# KiCad board mse-50-ce-panel.kicad_pcb (continued)
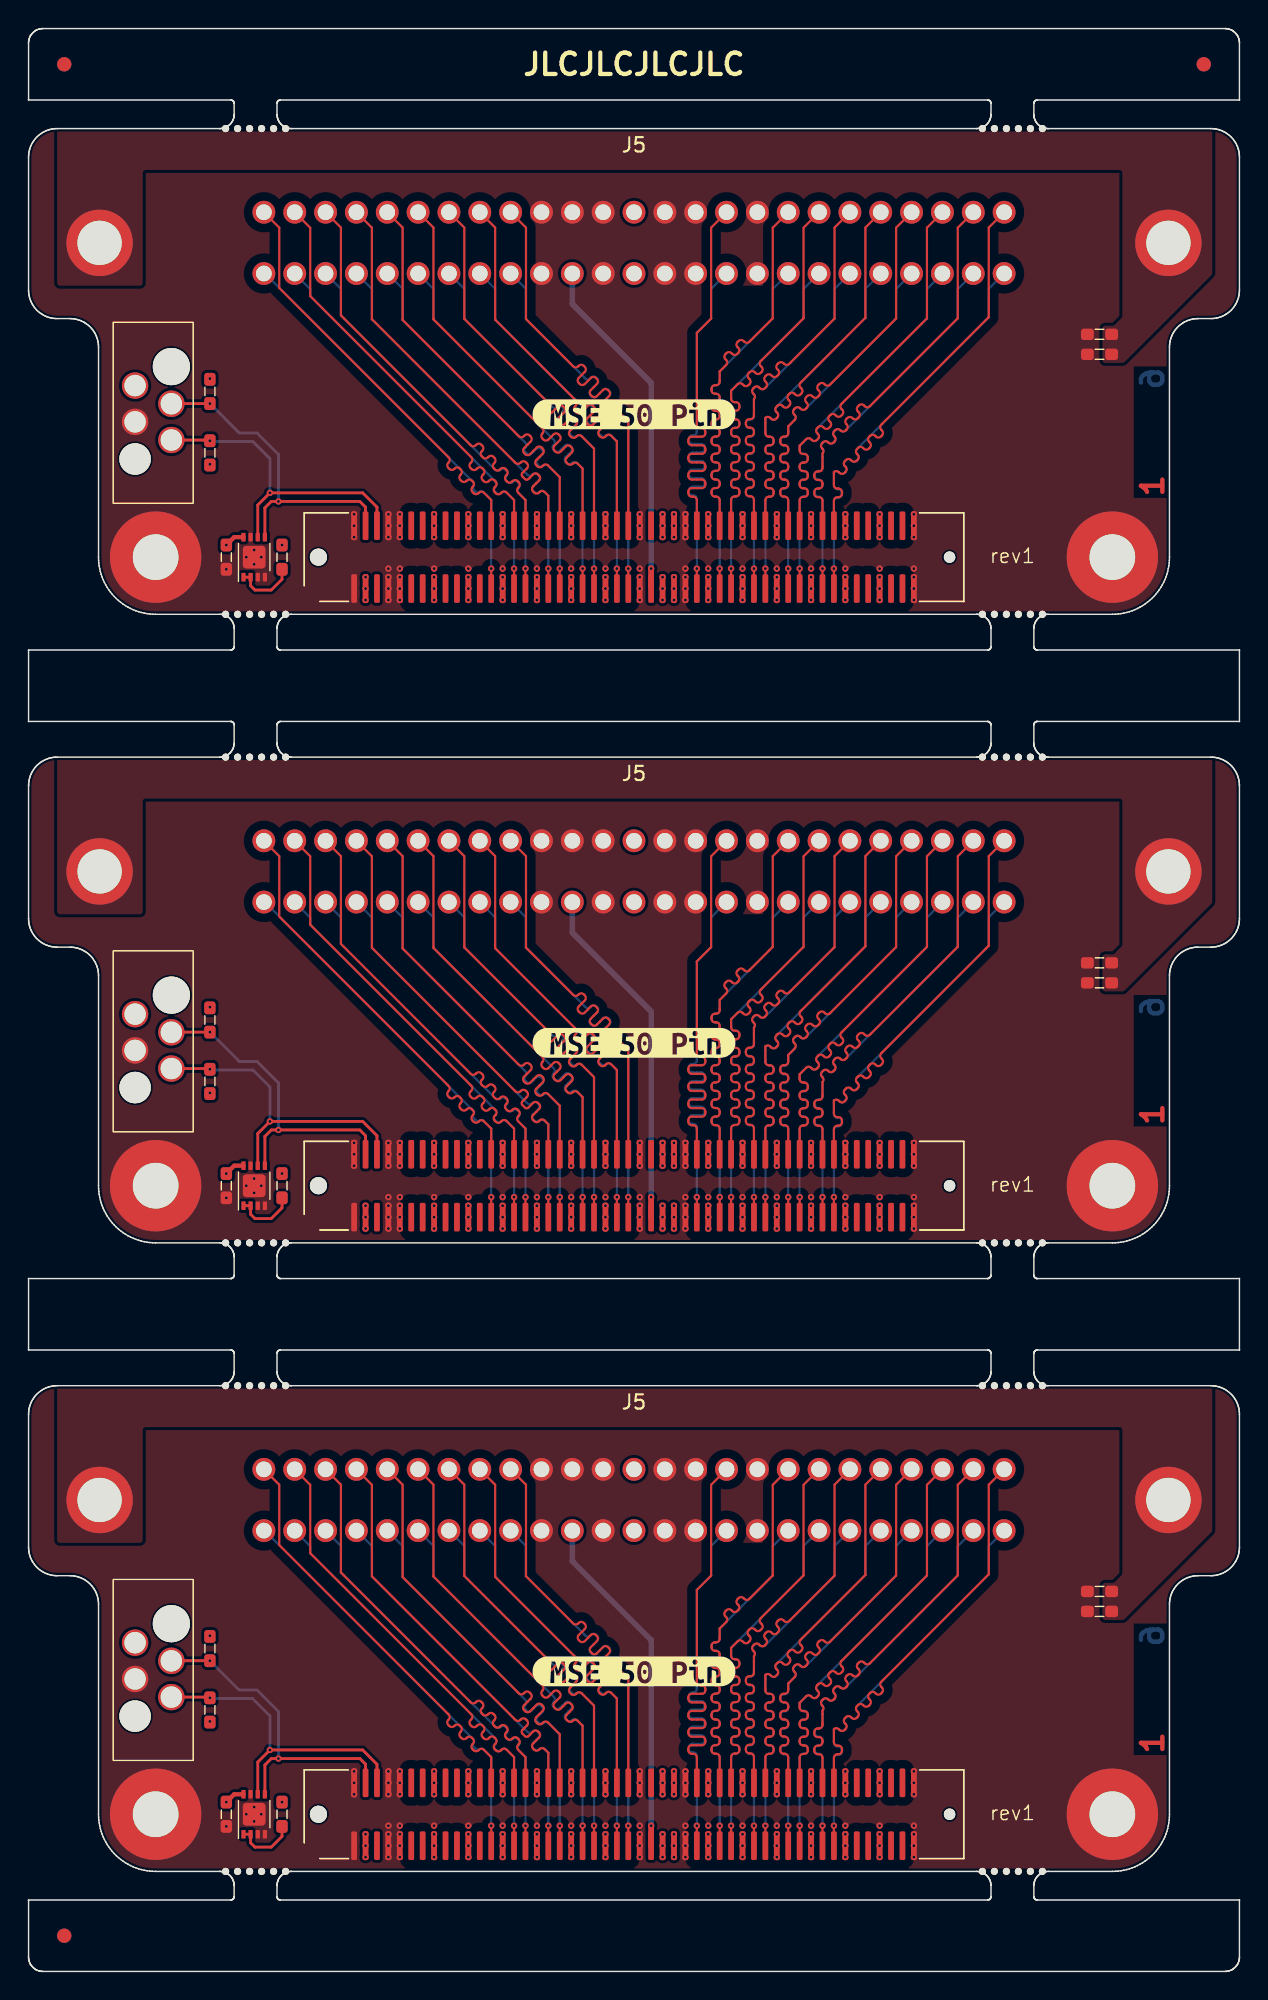
[diagram p0: board, top side]
## Routing (per net, layer and track width the routed paths; a pad name or vN(x,y) marks a point on that pad's centre or on a via; arc(x,y) is an arc through that point) (continued)
Board_0-Net-(U1-E0): length 4.4
  Top w0.2: R1#2.1 17.75,97.45 17,96.7 15.85,96.7 15.55,97 U1#3.2 U1#3.1
Board_1-+3V3: length 1.4
  Top w0.3: U1.8 14.4,56.4 v1(13.85,55.85)
  vias: v1(12.7,67.5) v1(12.7,61.5) v1(17.75,55.85) v1(23.6,53.6) v1(23.6,52.8) v1(23.6,52)
Board_1-/CON.ACK+: length 29.1
  Top w0.151: J1.67 v1(49.2,54.2)
  Bottom w0.151: J5#2.19 54.28,73.77 54.28,71.73 49.2,66.65 49.2,66.1 arc(49.27,65.93) 49.44,65.86 49.54,65.86 arc(49.71,65.79) 49.78,65.62 49.78,65.5 arc(49.71,65.33) 49.54,65.26 49.44,65.26 arc(49.27,65.19) 49.2,65.02 49.2,64.9 arc(49.27,64.73) 49.44,64.66 49.54,64.66 arc(49.71,64.59) 49.78,64.42 49.78,64.3 arc(49.71,64.13) 49.54,64.06 49.44,64.06 arc(49.27,63.99) 49.2,63.82 49.2,63.7 arc(49.27,63.53) 49.44,63.46 49.54,63.46 arc(49.71,63.39) 49.78,63.22 49.78,63.1 arc(49.71,62.93) 49.54,62.86 49.44,62.86 arc(49.27,62.79) 49.2,62.62 49.2,62.5 arc(49.27,62.33) 49.44,62.26 49.54,62.26 arc(49.71,62.19) 49.78,62.02 49.78,61.9 arc(49.71,61.73) 49.54,61.66 49.44,61.66 arc(49.27,61.59) 49.2,61.42 49.2,61.3 arc(49.27,61.13) 49.44,61.06 49.54,61.06 arc(49.71,60.99) 49.78,60.82 49.78,60.7 arc(49.71,60.53) 49.54,60.46 49.44,60.46 arc(49.27,60.39) 49.2,60.22 49.2,60.1 arc(49.27,59.93) 49.44,59.86 49.54,59.86 arc(49.71,59.79) 49.78,59.62 49.78,59.5 arc(49.71,59.33) 49.54,59.26 49.44,59.26 arc(49.27,59.19) 49.2,59.02 v1(49.2,54.2)
Board_1-/CON.ACK-: length 30.5
  Top w0.151: J1.68 49.2,59.01 arc(49.27,59.18) 49.44,59.25 49.54,59.25 arc(49.71,59.32) 49.78,59.49 49.78,59.61 arc(49.71,59.78) 49.54,59.85 49.44,59.85 arc(49.27,59.92) 49.2,60.09 49.2,60.21 arc(49.27,60.38) 49.44,60.45 49.54,60.45 arc(49.71,60.52) 49.78,60.69 49.78,60.81 arc(49.71,60.98) 49.54,61.05 49.44,61.05 arc(49.27,61.12) 49.2,61.29 49.2,61.41 arc(49.27,61.58) 49.44,61.65 49.54,61.65 arc(49.71,61.72) 49.78,61.89 49.78,62.01 arc(49.71,62.18) 49.54,62.25 49.44,62.25 arc(49.27,62.32) 49.2,62.49 49.2,62.61 arc(49.27,62.78) 49.44,62.85 49.54,62.85 arc(49.71,62.92) 49.78,63.09 49.78,63.21 arc(49.71,63.38) 49.54,63.45 49.44,63.45 arc(49.27,63.52) 49.2,63.69 49.2,63.81 arc(49.27,63.98) 49.44,64.05 49.54,64.05 arc(49.71,64.12) 49.78,64.29 49.78,64.41 arc(49.71,64.58) 49.54,64.65 49.44,64.65 arc(49.27,64.72) 49.2,64.89 49.2,65.01 arc(49.27,65.18) 49.44,65.25 49.54,65.25 arc(49.71,65.32) 49.78,65.49 49.78,65.61 arc(49.71,65.78) 49.54,65.85 49.44,65.85 arc(49.27,65.92) 49.2,66.09 49.2,66.65 49.66,67.11 arc(49.83,67.18) 50,67.11 50.07,67.04 arc(50.24,66.97) 50.41,67.04 50.49,67.12 arc(50.56,67.29) 50.49,67.46 50.42,67.53 arc(50.35,67.7) 50.42,67.87 50.51,67.96 arc(50.68,68.03) 50.85,67.96 50.92,67.89 arc(51.09,67.82) 51.26,67.89 51.34,67.97 arc(51.41,68.14) 51.34,68.31 51.27,68.38 arc(51.2,68.55) 51.27,68.72 54.28,71.73 54.28,78.06 J5#2.44
Board_1-/CON.ATN+: length 29.1
  Top w0.151: J1.61 v1(46.8,54.2)
  Bottom w0.151: v1(46.8,54.2) 46.8,59.09 arc(46.73,59.26) 46.56,59.33 46.48,59.33 arc(46.31,59.4) 46.24,59.57 46.24,59.69 arc(46.31,59.86) 46.48,59.93 47.12,59.93 arc(47.29,60) 47.36,60.17 47.36,60.29 arc(47.29,60.46) 47.12,60.53 46.48,60.53 arc(46.31,60.6) 46.24,60.77 46.24,60.89 arc(46.31,61.06) 46.48,61.13 47.12,61.13 arc(47.29,61.2) 47.36,61.37 47.36,61.49 arc(47.29,61.66) 47.12,61.73 46.48,61.73 arc(46.31,61.8) 46.24,61.97 46.24,62.09 arc(46.31,62.26) 46.48,62.33 47.12,62.33 arc(47.29,62.4) 47.36,62.57 47.36,62.69 arc(47.29,62.86) 47.12,62.93 46.48,62.93 arc(46.31,63) 46.24,63.17 46.24,63.29 arc(46.31,63.46) 46.48,63.53 46.56,63.53 arc(46.73,63.6) 46.8,63.77 46.8,70.7 47.8,71.7 47.8,73.78 J5#2.16
Board_1-/CON.ATN-: length 30.5
  Top w0.151: J5#2.41 47.8,78.07 47.8,71.7 46.8,70.7 46.8,64.27 arc(46.87,64.1) 47.04,64.03 47.16,64.03 arc(47.33,63.96) 47.4,63.79 47.4,63.67 arc(47.33,63.5) 47.16,63.43 46.44,63.43 arc(46.27,63.36) 46.2,63.19 46.2,63.07 arc(46.27,62.9) 46.44,62.83 47.16,62.83 arc(47.33,62.76) 47.4,62.59 47.4,62.47 arc(47.33,62.3) 47.16,62.23 46.44,62.23 arc(46.27,62.16) 46.2,61.99 46.2,61.87 arc(46.27,61.7) 46.44,61.63 47.16,61.63 arc(47.33,61.56) 47.4,61.39 47.4,61.27 arc(47.33,61.1) 47.16,61.03 46.44,61.03 arc(46.27,60.96) 46.2,60.79 46.2,60.67 arc(46.27,60.5) 46.44,60.43 47.16,60.43 arc(47.33,60.36) 47.4,60.19 47.4,60.07 arc(47.33,59.9) 47.16,59.83 46.44,59.83 arc(46.27,59.76) 46.2,59.59 46.2,59.47 arc(46.27,59.3) 46.44,59.23 46.56,59.23 arc(46.73,59.16) 46.8,58.99 J1.62
Board_1-/CON.BSY+: length 29.1
  Top w0.151: J1.65 v1(48.4,54.2)
  Bottom w0.151: v1(48.4,54.2) 48.4,59 arc(48.33,59.17) 48.16,59.24 48.07,59.24 arc(47.91,59.31) 47.83,59.48 47.83,59.6 arc(47.91,59.77) 48.07,59.84 48.16,59.84 arc(48.33,59.91) 48.4,60.08 48.4,60.2 arc(48.33,60.37) 48.16,60.44 48.07,60.44 arc(47.91,60.51) 47.83,60.68 47.83,60.8 arc(47.91,60.97) 48.07,61.04 48.16,61.04 arc(48.33,61.11) 48.4,61.28 48.4,61.4 arc(48.33,61.57) 48.16,61.64 48.07,61.64 arc(47.91,61.71) 47.83,61.88 47.83,62 arc(47.91,62.17) 48.07,62.24 48.16,62.24 arc(48.33,62.31) 48.4,62.48 48.4,62.6 arc(48.33,62.77) 48.16,62.84 48.07,62.84 arc(47.91,62.91) 47.83,63.08 47.83,63.2 arc(47.91,63.37) 48.07,63.44 48.16,63.44 arc(48.33,63.51) 48.4,63.68 48.4,63.8 arc(48.33,63.97) 48.16,64.04 48.07,64.04 arc(47.91,64.11) 47.83,64.28 47.83,64.4 arc(47.91,64.57) 48.07,64.64 48.16,64.64 arc(48.33,64.71) 48.4,64.88 48.4,65 arc(48.33,65.17) 48.16,65.24 48.07,65.24 arc(47.91,65.31) 47.83,65.48 47.83,65.6 arc(47.91,65.77) 48.07,65.84 48.16,65.84 arc(48.33,65.91) 48.4,66.08 48.4,66.2 arc(48.33,66.37) 48.16,66.44 48.07,66.44 arc(47.91,66.51) 47.83,66.68 47.83,66.8 arc(47.91,66.97) 48.07,67.04 48.16,67.04 arc(48.33,67.11) 48.4,67.28 48.4,68 52.11,71.71 52.11,73.77 J5#2.18
Board_1-/CON.BSY-: length 30.5
  Top w0.151: J1.66 48.4,59 arc(48.33,59.17) 48.16,59.24 48.07,59.24 arc(47.9,59.31) 47.83,59.48 47.83,59.6 arc(47.9,59.77) 48.07,59.84 48.16,59.84 arc(48.33,59.91) 48.4,60.08 48.4,60.2 arc(48.33,60.37) 48.16,60.44 48.07,60.44 arc(47.9,60.51) 47.83,60.68 47.83,60.8 arc(47.9,60.97) 48.07,61.04 48.16,61.04 arc(48.33,61.11) 48.4,61.28 48.4,61.4 arc(48.33,61.57) 48.16,61.64 48.07,61.64 arc(47.9,61.71) 47.83,61.88 47.83,62 arc(47.9,62.17) 48.07,62.24 48.16,62.24 arc(48.33,62.31) 48.4,62.48 48.4,62.6 arc(48.33,62.77) 48.16,62.84 48.07,62.84 arc(47.9,62.91) 47.83,63.08 47.83,63.2 arc(47.9,63.37) 48.07,63.44 48.16,63.44 arc(48.33,63.51) 48.4,63.68 48.4,63.8 arc(48.33,63.97) 48.16,64.04 48.07,64.04 arc(47.9,64.11) 47.83,64.28 47.83,64.4 arc(47.9,64.57) 48.07,64.64 48.16,64.64 arc(48.33,64.71) 48.4,64.88 48.4,65 arc(48.33,65.17) 48.16,65.24 48.07,65.24 arc(47.9,65.31) 47.83,65.48 47.83,65.6 arc(47.9,65.77) 48.07,65.84 48.16,65.84 arc(48.33,65.91) 48.4,66.08 48.4,66.2 arc(48.33,66.37) 48.16,66.44 48.07,66.44 arc(47.9,66.51) 47.83,66.68 47.83,66.8 arc(47.9,66.97) 48.07,67.04 48.16,67.04 arc(48.33,67.11) 48.4,67.28 48.4,68 48.86,68.46 arc(48.93,68.63) 48.86,68.8 48.8,68.86 arc(48.73,69.03) 48.8,69.2 48.88,69.29 arc(49.05,69.36) 49.22,69.29 49.28,69.23 arc(49.45,69.15) 49.62,69.23 49.71,69.31 arc(49.78,69.48) 49.71,69.65 49.64,69.71 arc(49.57,69.88) 49.64,70.05 49.73,70.14 arc(49.9,70.21) 50.07,70.14 50.13,70.07 arc(50.3,70) 50.47,70.07 52.12,71.72 52.12,78.06 J5#2.43
Board_1-/CON.C/D+: length 29.1
  Top w0.151: J1.79 v1(54,54.2)
  Bottom w0.151: v1(54,54.2) 54,59 arc(54.07,59.17) 54.24,59.24 54.33,59.24 arc(54.49,59.31) 54.57,59.48 54.57,59.6 arc(54.49,59.77) 54.33,59.84 54.24,59.84 arc(54.07,59.91) 54,60.08 54,60.2 arc(54.07,60.37) 54.24,60.44 54.33,60.44 arc(54.49,60.51) 54.57,60.68 54.57,60.8 arc(54.49,60.97) 54.33,61.04 54.24,61.04 arc(54.07,61.11) 54,61.28 54,61.4 arc(54.07,61.57) 54.24,61.64 54.33,61.64 arc(54.49,61.71) 54.57,61.88 54.57,62 arc(54.49,62.17) 54.33,62.24 54.24,62.24 arc(54.07,62.31) 54,62.48 54,62.8 54.46,63.26 arc(54.63,63.33) 54.8,63.26 54.86,63.2 arc(55.03,63.13) 55.2,63.2 55.28,63.29 arc(55.35,63.46) 55.28,63.63 55.22,63.69 arc(55.15,63.86) 55.22,64.03 55.31,64.11 62.93,71.73 62.93,73.78 J5#2.23
Board_1-/CON.C/D-: length 30.5
  Top w0.151: J1.80 54,58.98 arc(54.07,59.15) 54.24,59.22 54.33,59.22 arc(54.5,59.29) 54.57,59.46 54.57,59.58 arc(54.5,59.75) 54.33,59.82 54.24,59.82 arc(54.07,59.89) 54,60.06 54,60.18 arc(54.07,60.35) 54.24,60.42 54.33,60.42 arc(54.5,60.49) 54.57,60.66 54.57,60.78 arc(54.5,60.95) 54.33,61.02 54.24,61.02 arc(54.07,61.09) 54,61.26 54,61.38 arc(54.07,61.55) 54.24,61.62 54.33,61.62 arc(54.5,61.69) 54.57,61.86 54.57,61.98 arc(54.5,62.15) 54.33,62.22 54.24,62.22 arc(54.07,62.29) 54,62.46 54,62.8 54.46,63.26 arc(54.63,63.33) 54.8,63.26 54.86,63.2 arc(55.03,63.13) 55.2,63.2 55.29,63.28 arc(55.36,63.45) 55.29,63.62 55.22,63.69 arc(55.15,63.86) 55.22,64.03 55.31,64.11 arc(55.48,64.18) 55.65,64.11 55.71,64.04 arc(55.88,63.97) 56.05,64.04 56.14,64.13 arc(56.21,64.3) 56.14,64.47 56.07,64.53 arc(56,64.7) 56.07,64.87 56.16,64.96 arc(56.33,65.03) 56.5,64.96 56.56,64.89 arc(56.73,64.82) 56.9,64.89 56.99,64.98 arc(57.06,65.15) 56.99,65.32 56.92,65.38 arc(56.85,65.55) 56.92,65.72 57.01,65.81 62.92,71.72 62.92,78.06 J5#2.48
Board_1-/CON.DB0+: length 29.1
  Top w0.151: J1.25 v1(32.4,54.2)
  Bottom w0.151: J5#2.1 16.55,74.86 31.16,60.24 arc(31.21,60.12) 31.16,59.99 arc(31.11,59.87) 31.16,59.75 31.34,59.57 arc(31.46,59.52) 31.58,59.57 arc(31.71,59.62) 31.83,59.57 32.4,59 v1(32.4,54.2)
Board_1-/CON.DB0-: length 30.5
  Top w0.151: J1.26 32.4,59 31.89,59.52 arc(31.72,59.59) 31.55,59.52 31.51,59.48 arc(31.34,59.41) 31.17,59.48 31.09,59.56 arc(31.02,59.73) 31.09,59.9 31.12,59.94 arc(31.19,60.11) 31.12,60.28 31.04,60.36 arc(30.87,60.43) 30.7,60.36 30.66,60.33 arc(30.49,60.26) 30.32,60.33 30.24,60.41 arc(30.17,60.58) 30.24,60.75 30.27,60.79 arc(30.34,60.96) 30.27,61.13 30.19,61.21 arc(30.02,61.28) 29.85,61.21 29.81,61.18 arc(29.64,61.11) 29.47,61.18 29.39,61.26 arc(29.32,61.43) 29.39,61.6 29.43,61.64 arc(29.5,61.81) 29.43,61.98 17.56,73.85 17.56,78.07 J5#2.26
Board_1-/CON.DB1+: length 29.1
  Top w0.151: J1.29 v1(34,54.2)
  Bottom w0.151: v1(34,54.2) 34,59 33.47,59.53 arc(33.3,59.6) 33.13,59.53 33.1,59.49 arc(32.93,59.42) 32.76,59.49 32.67,59.58 arc(32.6,59.75) 32.67,59.92 32.71,59.95 arc(32.78,60.12) 32.71,60.29 19.73,73.28 19.73,73.77 J5#2.2
Board_1-/CON.DB1-: length 30.5
  Top w0.151: J5#2.27 19.72,78.06 19.72,73.28 31.01,61.99 arc(31.08,61.82) 31.01,61.65 30.95,61.59 arc(30.88,61.42) 30.95,61.25 31.03,61.16 arc(31.2,61.09) 31.37,61.16 31.43,61.23 arc(31.6,61.3) 31.77,61.23 31.86,61.14 arc(31.93,60.97) 31.86,60.8 31.8,60.74 arc(31.73,60.57) 31.8,60.4 31.88,60.32 arc(32.05,60.25) 32.22,60.32 32.28,60.38 arc(32.45,60.45) 32.62,60.38 32.71,60.29 arc(32.78,60.13) 32.71,59.96 32.64,59.89 arc(32.57,59.72) 32.64,59.55 32.73,59.47 arc(32.9,59.4) 33.07,59.47 33.13,59.53 arc(33.3,59.6) 33.47,59.53 34,59 J1.30
Board_1-/CON.DB2+: length 29.1
  Top w0.151: J1.31 v1(34.8,54.2)
  Bottom w0.151: J5#2.3 21.88,73.78 21.88,71.93 32.7,61.1 arc(32.87,61.03) 33.04,61.1 33.06,61.13 arc(33.23,61.2) 33.4,61.13 33.48,61.04 arc(33.55,60.87) 33.48,60.7 33.46,60.68 arc(33.39,60.51) 33.46,60.34 33.55,60.26 arc(33.72,60.19) 33.89,60.26 33.91,60.28 arc(34.08,60.35) 34.25,60.28 34.33,60.19 arc(34.4,60.02) 34.33,59.85 34.31,59.83 arc(34.24,59.66) 34.31,59.49 34.8,59 v1(34.8,54.2)
Board_1-/CON.DB2-: length 30.5
  Top w0.151: J5#2.28 21.88,78.07 21.88,71.93 30.97,62.83 arc(31.14,62.76) 31.31,62.83 31.36,62.88 arc(31.53,62.95) 31.7,62.88 31.78,62.79 arc(31.86,62.62) 31.78,62.45 31.74,62.41 arc(31.67,62.24) 31.74,62.07 31.82,61.98 arc(31.99,61.91) 32.16,61.98 32.21,62.03 arc(32.38,62.1) 32.55,62.03 32.63,61.95 arc(32.7,61.78) 32.63,61.61 32.58,61.56 arc(32.51,61.39) 32.58,61.22 32.67,61.13 arc(32.84,61.06) 33.01,61.13 33.06,61.18 arc(33.23,61.25) 33.4,61.18 33.48,61.1 arc(33.55,60.93) 33.48,60.76 33.43,60.71 arc(33.36,60.54) 33.43,60.37 33.52,60.28 arc(33.69,60.21) 33.86,60.28 33.91,60.33 arc(34.08,60.4) 34.25,60.33 34.33,60.25 arc(34.4,60.08) 34.33,59.91 34.28,59.86 arc(34.21,59.69) 34.28,59.52 34.8,59 J1.32
Board_1-/CON.DB3+: length 29.1
  Top w0.151: J1.35 v1(36.4,54.2)
  Bottom w0.151: J5#2.4 24.05,73.77 24.05,71.65 34.84,60.86 34.93,60.77 arc(35.1,60.7) 35.27,60.77 35.29,60.8 arc(35.46,60.87) 35.63,60.8 35.72,60.71 arc(35.79,60.54) 35.72,60.37 35.33,59.98 arc(35.26,59.81) 35.33,59.64 35.41,59.56 arc(35.58,59.49) 35.75,59.56 35.78,59.58 arc(35.95,59.66) 36.12,59.58 36.4,59.3 v1(36.4,54.2)
Board_1-/CON.DB3-: length 30.5
  Top w0.151: J5#2.29 24.04,78.06 24.04,71.66 34.1,61.6 arc(34.27,61.53) 34.44,61.6 34.49,61.65 arc(34.66,61.72) 34.83,61.65 34.91,61.56 arc(34.98,61.39) 34.91,61.22 34.58,60.89 arc(34.53,60.77) 34.58,60.66 34.77,60.47 arc(34.88,60.42) 35,60.47 35.34,60.8 arc(35.51,60.87) 35.67,60.8 35.76,60.72 arc(35.83,60.55) 35.76,60.38 35.33,59.94 arc(35.26,59.77) 35.33,59.6 35.41,59.52 arc(35.58,59.45) 35.75,59.52 35.8,59.57 arc(35.97,59.64) 36.14,59.57 36.4,59.3 J1.36
Board_1-/CON.DB4+: length 29.1
  Top w0.151: J1.37 v1(37.2,54.2)
  Bottom w0.151: v1(37.2,54.2) 37.2,60.6 36.4,61.4 arc(36.24,61.47) 36.07,61.4 arc(35.91,61.33) 35.74,61.4 35.64,61.49 arc(35.58,61.66) 35.64,61.83 35.98,62.16 arc(36.05,62.32) 35.98,62.49 35.88,62.58 arc(35.72,62.65) 35.55,62.58 35.22,62.25 arc(35.05,62.18) 34.89,62.25 34.8,62.34 arc(34.73,62.51) 34.8,62.67 arc(34.86,62.84) 34.8,63.01 26.2,71.6 26.2,73.78 J5#2.5
Board_1-/CON.DB4-: length 30.5
  Top w0.151: J1.38 37.2,60.6 36.38,61.43 arc(36.21,61.5) 36.04,61.43 35.97,61.36 arc(35.8,61.29) 35.63,61.36 35.55,61.45 arc(35.48,61.62) 35.55,61.79 36.02,62.25 arc(36.09,62.42) 36.02,62.59 35.93,62.68 arc(35.76,62.75) 35.59,62.68 35.12,62.21 arc(34.95,62.14) 34.78,62.21 34.7,62.29 arc(34.63,62.46) 34.7,62.63 35.17,63.1 arc(35.24,63.27) 35.17,63.44 35.08,63.53 arc(34.91,63.6) 34.74,63.53 34.68,63.46 arc(34.51,63.39) 34.34,63.46 26.2,71.61 26.2,78.07 J5#2.30
Board_1-/CON.DB5+: length 29.1
  Top w0.151: J1.41 v1(38.8,54.2)
  Bottom w0.151: v1(38.8,54.2) 38.8,61.2 38.4,61.6 arc(38.23,61.67) 38.06,61.6 38.04,61.58 arc(37.87,61.51) 37.7,61.58 37.62,61.66 arc(37.54,61.83) 37.62,62 38,62.39 arc(38.07,62.56) 38,62.73 37.91,62.81 arc(37.74,62.88) 37.57,62.81 37.19,62.43 arc(37.02,62.36) 36.85,62.43 36.77,62.51 arc(36.7,62.68) 36.77,62.85 36.79,62.87 arc(36.86,63.04) 36.79,63.21 28.35,71.65 28.35,73.79 J5#2.6
Board_1-/CON.DB5-: length 30.5
  Top w0.151: J1.42 38.8,61.2 38.45,61.55 arc(38.28,61.62) 38.11,61.55 38.1,61.53 arc(37.93,61.46) 37.76,61.53 37.67,61.62 arc(37.6,61.79) 37.67,61.96 38.04,62.33 arc(38.11,62.5) 38.04,62.67 37.96,62.75 arc(37.79,62.82) 37.62,62.75 37.25,62.38 arc(37.08,62.31) 36.91,62.38 36.83,62.47 arc(36.76,62.64) 36.83,62.81 37.2,63.18 arc(37.27,63.35) 37.2,63.52 37.11,63.6 arc(36.94,63.67) 36.77,63.6 36.4,63.23 arc(36.23,63.16) 36.06,63.23 35.98,63.32 arc(35.91,63.49) 35.98,63.66 35.99,63.67 arc(36.06,63.84) 35.99,64.01 28.36,71.65 28.36,78.07 J5#2.31
Board_1-/CON.DB6+: length 29.1
  Top w0.151: J1.43 v1(39.6,54.2)
  Bottom w0.151: v1(39.6,54.2) 39.6,62.6 38.72,63.48 arc(38.55,63.55) 38.38,63.48 arc(38.21,63.41) 38.04,63.48 37.96,63.57 arc(37.89,63.74) 37.96,63.91 38.3,64.25 arc(38.37,64.41) 38.3,64.58 38.21,64.67 arc(38.04,64.74) 37.87,64.67 37.53,64.33 arc(37.36,64.26) 37.19,64.33 37.11,64.42 arc(37.04,64.59) 37.11,64.75 37.45,65.09 arc(37.52,65.26) 37.45,65.43 37.36,65.52 arc(37.19,65.59) 37.02,65.52 arc(36.85,65.45) 36.68,65.52 30.53,71.68 30.53,73.77 J5#2.7
Board_1-/CON.DB6-: length 30.5
  Top w0.151: J5#2.32 30.52,78.07 30.52,71.69 36.18,66.02 36.27,65.93 arc(36.34,65.76) 36.27,65.59 36.21,65.54 arc(36.14,65.37) 36.21,65.2 36.3,65.12 arc(36.47,65.04) 36.64,65.12 37.09,65.56 arc(37.26,65.63) 37.43,65.56 37.51,65.48 arc(37.58,65.31) 37.51,65.14 37.06,64.69 arc(36.99,64.52) 37.06,64.35 37.15,64.27 arc(37.32,64.2) 37.49,64.27 37.94,64.72 arc(38.11,64.79) 38.27,64.72 38.36,64.63 arc(38.43,64.46) 38.36,64.29 37.91,63.84 arc(37.84,63.67) 37.91,63.5 38,63.42 arc(38.17,63.35) 38.34,63.42 38.39,63.47 arc(38.56,63.54) 38.73,63.47 39.6,62.6 J1.44
Board_1-/CON.DB7+: length 29.1
  Top w0.151: J1.47 v1(41.2,54.2)
  Bottom w0.151: J5#2.8 32.68,73.78 32.68,71.63 38.66,65.64 38.75,65.55 arc(38.92,65.48) 39.09,65.55 39.11,65.57 arc(39.28,65.64) 39.45,65.57 39.53,65.49 arc(39.6,65.32) 39.53,65.15 39.15,64.77 arc(39.08,64.6) 39.15,64.43 39.24,64.35 arc(39.41,64.28) 39.58,64.35 39.96,64.73 arc(40.13,64.8) 40.3,64.73 40.38,64.64 arc(40.45,64.47) 40.38,64.3 40,63.92 arc(39.93,63.75) 40,63.58 40.09,63.5 arc(40.26,63.43) 40.43,63.5 40.45,63.52 arc(40.61,63.59) 40.78,63.52 41.2,63.1 v1(41.2,54.2)
Board_1-/CON.DB7-: length 30.5
  Top w0.151: J1.48 41.2,63.1 40.8,63.51 arc(40.63,63.58) 40.46,63.51 40.39,63.43 arc(40.22,63.36) 40.05,63.43 39.96,63.52 arc(39.89,63.69) 39.96,63.86 40.44,64.34 arc(40.51,64.51) 40.44,64.68 40.36,64.76 arc(40.19,64.83) 40.02,64.76 39.54,64.28 arc(39.37,64.21) 39.2,64.28 39.11,64.37 arc(39.04,64.54) 39.11,64.71 39.59,65.19 arc(39.67,65.36) 39.59,65.53 39.51,65.61 arc(39.34,65.68) 39.17,65.61 38.69,65.13 arc(38.52,65.06) 38.35,65.13 38.26,65.22 arc(38.19,65.39) 38.26,65.56 38.34,65.63 arc(38.41,65.8) 38.34,65.97 32.68,71.63 32.68,78.07 J5#2.33
Board_1-/CON.DIFFSENSE: length 24.3
  Top w0.4: J1.53 v1(43.6,54.2)
  Bottom w0.4: J5#2.11 38.08,72.72 43.6,67.2 v1(43.6,54.2)
Board_1-/CON.DP0+: length 29.1
  Top w0.151: J1.49 v1(42,54.2)
  Bottom w0.151: v1(42,54.2) 42,64.5 41.03,65.47 arc(40.86,65.54) 40.69,65.47 40.62,65.4 arc(40.45,65.33) 40.28,65.4 40.2,65.49 arc(40.13,65.65) 40.2,65.82 40.68,66.3 arc(40.75,66.47) 40.68,66.64 40.59,66.73 arc(40.42,66.8) 40.25,66.73 39.77,66.25 arc(39.6,66.18) 39.43,66.25 39.35,66.33 arc(39.28,66.5) 39.35,66.67 39.83,67.15 arc(39.9,67.32) 39.83,67.49 39.74,67.58 arc(39.57,67.65) 39.4,67.58 39.33,67.51 arc(39.17,67.44) 39,67.51 34.83,71.68 34.83,73.79 J5#2.9
Board_1-/CON.DP0-: length 30.5
  Top w0.151: J5#2.34 34.84,78.07 34.84,71.67 38.15,68.35 arc(38.32,68.28) 38.49,68.35 38.54,68.4 arc(38.71,68.47) 38.87,68.4 38.96,68.32 arc(39.03,68.15) 38.96,67.98 38.52,67.54 arc(38.45,67.37) 38.52,67.2 38.61,67.12 arc(38.78,67.05) 38.95,67.12 39.38,67.55 arc(39.55,67.62) 39.72,67.55 39.81,67.47 arc(39.88,67.3) 39.81,67.13 39.37,66.69 arc(39.3,66.52) 39.37,66.35 39.46,66.27 arc(39.63,66.2) 39.8,66.27 40.23,66.7 arc(40.4,66.78) 40.57,66.7 40.66,66.62 arc(40.73,66.45) 40.66,66.28 40.22,65.85 arc(40.15,65.68) 40.22,65.51 40.31,65.42 arc(40.48,65.35) 40.65,65.42 40.69,65.47 arc(40.86,65.54) 41.03,65.47 42,64.5 J1.50
Board_1-/CON.I/O+: length 29.1
  Top w0.151: J1.85 v1(56.4,54.2)
  Bottom w0.151: v1(56.4,54.2) 56.4,58.91 arc(56.47,59.08) 56.64,59.15 56.71,59.15 arc(56.88,59.23) 56.95,59.39 56.95,59.51 arc(56.88,59.68) 56.71,59.75 56.64,59.75 arc(56.47,59.83) 56.4,59.99 56.4,60.95 arc(56.57,61.02) 56.74,60.95 56.79,60.9 arc(56.96,60.83) 57.13,60.9 57.21,60.99 arc(57.29,61.16) 57.21,61.33 57.16,61.38 arc(57.09,61.55) 57.16,61.72 57.25,61.8 arc(57.42,61.87) 57.59,61.8 57.64,61.75 arc(57.81,61.68) 57.98,61.75 58.06,61.83 arc(58.13,62) 58.06,62.17 58.01,62.22 arc(57.94,62.39) 58.01,62.56 58.1,62.65 67.25,71.8 67.25,73.79 J5#2.25
Board_1-/CON.I/O-: length 30.5
  Top w0.151: J5#2.50 67.24,78.07 67.24,71.8 59.79,64.35 59.71,64.27 arc(59.64,64.1) 59.71,63.93 59.77,63.87 arc(59.84,63.7) 59.77,63.53 59.69,63.44 arc(59.52,63.37) 59.35,63.44 59.28,63.5 arc(59.12,63.57) 58.95,63.5 58.86,63.42 arc(58.79,63.25) 58.86,63.08 58.92,63.02 arc(58.99,62.85) 58.92,62.68 58.84,62.59 arc(58.67,62.52) 58.5,62.59 58.44,62.65 arc(58.27,62.73) 58.1,62.65 58.01,62.57 arc(57.94,62.4) 58.01,62.23 58.07,62.17 arc(58.14,62) 58.07,61.83 57.99,61.74 arc(57.82,61.67) 57.65,61.74 57.59,61.81 arc(57.42,61.88) 57.25,61.81 57.16,61.72 arc(57.09,61.55) 57.16,61.38 57.22,61.32 arc(57.3,61.15) 57.22,60.98 57.14,60.9 arc(56.97,60.83) 56.8,60.9 56.74,60.96 arc(56.57,61.03) 56.4,60.96 56.4,60.04 arc(56.47,59.87) 56.64,59.8 56.73,59.8 arc(56.9,59.73) 56.97,59.56 56.97,59.44 arc(56.9,59.27) 56.73,59.2 56.64,59.2 arc(56.47,59.13) 56.4,58.96 J1.86
Board_1-/CON.MSG+: length 29.1
  Top w0.151: J1.73 v1(51.6,54.2)
  Bottom w0.151: v1(51.6,54.2) 51.6,58.99 arc(51.67,59.16) 51.84,59.23 51.93,59.23 arc(52.1,59.3) 52.17,59.47 52.17,59.59 arc(52.1,59.76) 51.93,59.83 51.84,59.83 arc(51.67,59.9) 51.6,60.07 51.6,60.19 arc(51.67,60.36) 51.84,60.43 51.93,60.43 arc(52.1,60.5) 52.17,60.67 52.17,60.79 arc(52.1,60.96) 51.93,61.03 51.84,61.03 arc(51.67,61.1) 51.6,61.27 51.6,61.39 arc(51.67,61.56) 51.84,61.63 51.93,61.63 arc(52.1,61.7) 52.17,61.87 52.17,61.99 arc(52.1,62.16) 51.93,62.23 51.84,62.23 arc(51.67,62.3) 51.6,62.47 51.6,62.59 arc(51.67,62.76) 51.84,62.83 51.93,62.83 arc(52.1,62.9) 52.17,63.07 52.17,63.19 arc(52.1,63.36) 51.93,63.43 51.84,63.43 arc(51.67,63.5) 51.6,63.67 51.6,64.75 arc(51.77,64.82) 51.94,64.75 52,64.69 arc(52.17,64.62) 52.34,64.69 52.43,64.77 arc(52.5,64.94) 52.43,65.11 52.36,65.18 arc(52.29,65.35) 52.36,65.52 52.45,65.6 58.6,71.75 58.6,73.78 J5#2.21
Board_1-/CON.MSG-: length 30.5
  Top w0.151: J5#2.46 58.6,78.07 58.6,71.76 54.15,67.3 54.06,67.21 arc(53.99,67.04) 54.06,66.87 54.13,66.8 arc(54.2,66.63) 54.13,66.47 54.04,66.38 arc(53.87,66.31) 53.71,66.38 53.64,66.45 arc(53.47,66.52) 53.3,66.45 53.21,66.36 arc(53.14,66.19) 53.21,66.02 53.28,65.96 arc(53.35,65.79) 53.28,65.62 53.2,65.53 arc(53.03,65.46) 52.86,65.53 52.79,65.6 arc(52.62,65.67) 52.45,65.6 52.36,65.52 arc(52.29,65.35) 52.36,65.18 52.43,65.11 arc(52.5,64.94) 52.43,64.77 52.35,64.68 arc(52.18,64.61) 52.01,64.68 51.94,64.75 arc(51.77,64.82) 51.6,64.75 51.6,63.67 arc(51.67,63.5) 51.84,63.43 51.94,63.43 arc(52.11,63.36) 52.18,63.19 52.18,63.07 arc(52.11,62.9) 51.94,62.83 51.84,62.83 arc(51.67,62.76) 51.6,62.59 51.6,62.47 arc(51.67,62.3) 51.84,62.23 51.94,62.23 arc(52.11,62.16) 52.18,61.99 52.18,61.87 arc(52.11,61.7) 51.94,61.63 51.84,61.63 arc(51.67,61.56) 51.6,61.39 51.6,61.27 arc(51.67,61.1) 51.84,61.03 51.94,61.03 arc(52.11,60.96) 52.18,60.79 52.18,60.67 arc(52.11,60.5) 51.94,60.43 51.84,60.43 arc(51.67,60.36) 51.6,60.19 51.6,60.07 arc(51.67,59.9) 51.84,59.83 51.94,59.83 arc(52.11,59.76) 52.18,59.59 52.18,59.47 arc(52.11,59.3) 51.94,59.23 51.84,59.23 arc(51.67,59.16) 51.6,58.99 J1.74
Board_1-/CON.REQ+: length 29.1
  Top w0.151: J1.83 v1(55.6,54.2)
  Bottom w0.151: v1(55.6,54.2) 55.6,59 arc(55.53,59.16) 55.36,59.24 55.3,59.24 arc(55.13,59.31) 55.06,59.48 55.06,59.6 arc(55.13,59.76) 55.3,59.84 55.36,59.84 arc(55.53,59.91) 55.6,60.08 55.6,60.2 arc(55.53,60.36) 55.36,60.44 55.3,60.44 arc(55.13,60.51) 55.06,60.68 55.06,60.8 arc(55.13,60.96) 55.3,61.04 55.36,61.04 arc(55.53,61.11) 55.6,61.28 55.6,62.25 arc(55.67,62.42) 55.6,62.59 55.56,62.63 arc(55.49,62.8) 55.56,62.97 55.65,63.06 arc(55.81,63.13) 55.98,63.06 56.02,63.02 arc(56.19,62.95) 56.36,63.02 56.45,63.1 arc(56.52,63.27) 56.45,63.44 56.41,63.48 arc(56.34,63.65) 56.41,63.82 56.49,63.9 arc(56.66,63.97) 56.83,63.9 56.87,63.86 arc(57.04,63.79) 57.21,63.86 57.3,63.95 65.08,71.73 65.08,73.77 J5#2.24
Board_1-/CON.REQ-: length 30.5
  Top w0.151: J1.84 55.6,58.96 arc(55.53,59.13) 55.36,59.2 55.26,59.2 arc(55.09,59.27) 55.02,59.44 55.02,59.56 arc(55.09,59.73) 55.26,59.8 55.36,59.8 arc(55.53,59.87) 55.6,60.04 55.6,60.16 arc(55.53,60.33) 55.36,60.4 55.26,60.4 arc(55.09,60.47) 55.02,60.64 55.02,60.76 arc(55.09,60.93) 55.26,61 55.36,61 arc(55.53,61.07) 55.6,61.24 55.6,62.25 arc(55.67,62.42) 55.6,62.59 55.57,62.63 arc(55.5,62.8) 55.57,62.97 55.65,63.05 arc(55.82,63.12) 55.99,63.05 56.02,63.02 arc(56.19,62.95) 56.36,63.02 56.45,63.1 arc(56.52,63.27) 56.45,63.44 56.41,63.47 arc(56.34,63.64) 56.41,63.81 56.5,63.9 arc(56.67,63.97) 56.84,63.9 56.87,63.86 arc(57.04,63.79) 57.21,63.86 57.3,63.95 arc(57.37,64.12) 57.3,64.29 57.26,64.32 arc(57.19,64.49) 57.26,64.66 57.35,64.75 arc(57.52,64.82) 57.69,64.75 57.72,64.71 arc(57.89,64.64) 58.06,64.71 58.15,64.8 arc(58.22,64.97) 58.15,65.14 58.08,65.21 arc(58.01,65.38) 58.08,65.55 58.16,65.63 arc(58.33,65.7) 58.5,65.63 58.57,65.56 arc(58.74,65.49) 58.91,65.56 58.99,65.65 65.08,71.73 65.08,78.06 J5#2.49
Board_1-/CON.RST+: length 29.1
  Top w0.151: J1.71 v1(50.8,54.2)
  Bottom w0.151: v1(50.8,54.2) 50.8,59 arc(50.73,59.17) 50.56,59.24 50.48,59.24 arc(50.31,59.31) 50.24,59.48 50.24,59.6 arc(50.31,59.77) 50.48,59.84 50.56,59.84 arc(50.73,59.91) 50.8,60.08 50.8,60.2 arc(50.73,60.37) 50.56,60.44 50.48,60.44 arc(50.31,60.51) 50.24,60.68 50.24,60.8 arc(50.31,60.97) 50.48,61.04 50.56,61.04 arc(50.73,61.11) 50.8,61.28 50.8,61.4 arc(50.73,61.57) 50.56,61.64 50.48,61.64 arc(50.31,61.71) 50.24,61.88 50.24,62 arc(50.31,62.17) 50.48,62.24 50.56,62.24 arc(50.73,62.31) 50.8,62.48 50.8,62.6 arc(50.73,62.77) 50.56,62.84 50.48,62.84 arc(50.31,62.91) 50.24,63.08 50.24,63.2 arc(50.31,63.37) 50.48,63.44 50.56,63.44 arc(50.73,63.51) 50.8,63.68 50.8,63.8 arc(50.73,63.97) 50.56,64.04 50.48,64.04 arc(50.31,64.11) 50.24,64.28 50.24,64.4 arc(50.31,64.57) 50.48,64.64 50.56,64.64 arc(50.73,64.71) 50.8,64.88 50.8,66.05 arc(50.87,66.22) 50.8,66.39 50.74,66.45 arc(50.67,66.62) 50.74,66.79 50.83,66.87 arc(51,66.94) 51.17,66.87 51.22,66.82 arc(51.39,66.75) 51.56,66.82 56.45,71.7 56.45,73.79 J5#2.20
Board_1-/CON.RST-: length 30.5
  Top w0.151: J5#2.45 56.44,78.07 56.44,71.71 53.26,68.52 arc(53.09,68.45) 52.92,68.52 52.86,68.58 arc(52.69,68.66) 52.52,68.58 52.44,68.5 arc(52.37,68.33) 52.44,68.16 52.5,68.1 arc(52.57,67.93) 52.5,67.76 52.41,67.68 arc(52.24,67.61) 52.07,67.68 52.01,67.74 arc(51.84,67.81) 51.67,67.74 51.59,67.65 arc(51.52,67.48) 51.59,67.31 51.65,67.25 arc(51.72,67.08) 51.65,66.91 51.56,66.83 arc(51.39,66.76) 51.22,66.83 51.16,66.89 arc(50.99,66.96) 50.82,66.89 50.74,66.8 arc(50.67,66.63) 50.74,66.46 50.8,66.4 arc(50.87,66.23) 50.8,66.06 50.8,64.91 arc(50.73,64.74) 50.56,64.67 50.47,64.67 arc(50.3,64.6) 50.23,64.43 50.23,64.31 arc(50.3,64.14) 50.47,64.07 50.56,64.07 arc(50.73,64) 50.8,63.83 50.8,63.71 arc(50.73,63.54) 50.56,63.47 50.47,63.47 arc(50.3,63.4) 50.23,63.23 50.23,63.11 arc(50.3,62.94) 50.47,62.87 50.56,62.87 arc(50.73,62.8) 50.8,62.63 50.8,62.51 arc(50.73,62.34) 50.56,62.27 50.47,62.27 arc(50.3,62.2) 50.23,62.03 50.23,61.91 arc(50.3,61.74) 50.47,61.67 50.56,61.67 arc(50.73,61.6) 50.8,61.43 50.8,61.31 arc(50.73,61.14) 50.56,61.07 50.47,61.07 arc(50.3,61) 50.23,60.83 50.23,60.71 arc(50.3,60.54) 50.47,60.47 50.56,60.47 arc(50.73,60.4) 50.8,60.23 50.8,60.11 arc(50.73,59.94) 50.56,59.87 50.47,59.87 arc(50.3,59.8) 50.23,59.63 50.23,59.51 arc(50.3,59.34) 50.47,59.27 50.56,59.27 arc(50.73,59.2) 50.8,59.03 J1.72